# KiCad board Interrupter v1.2.kicad_pcb
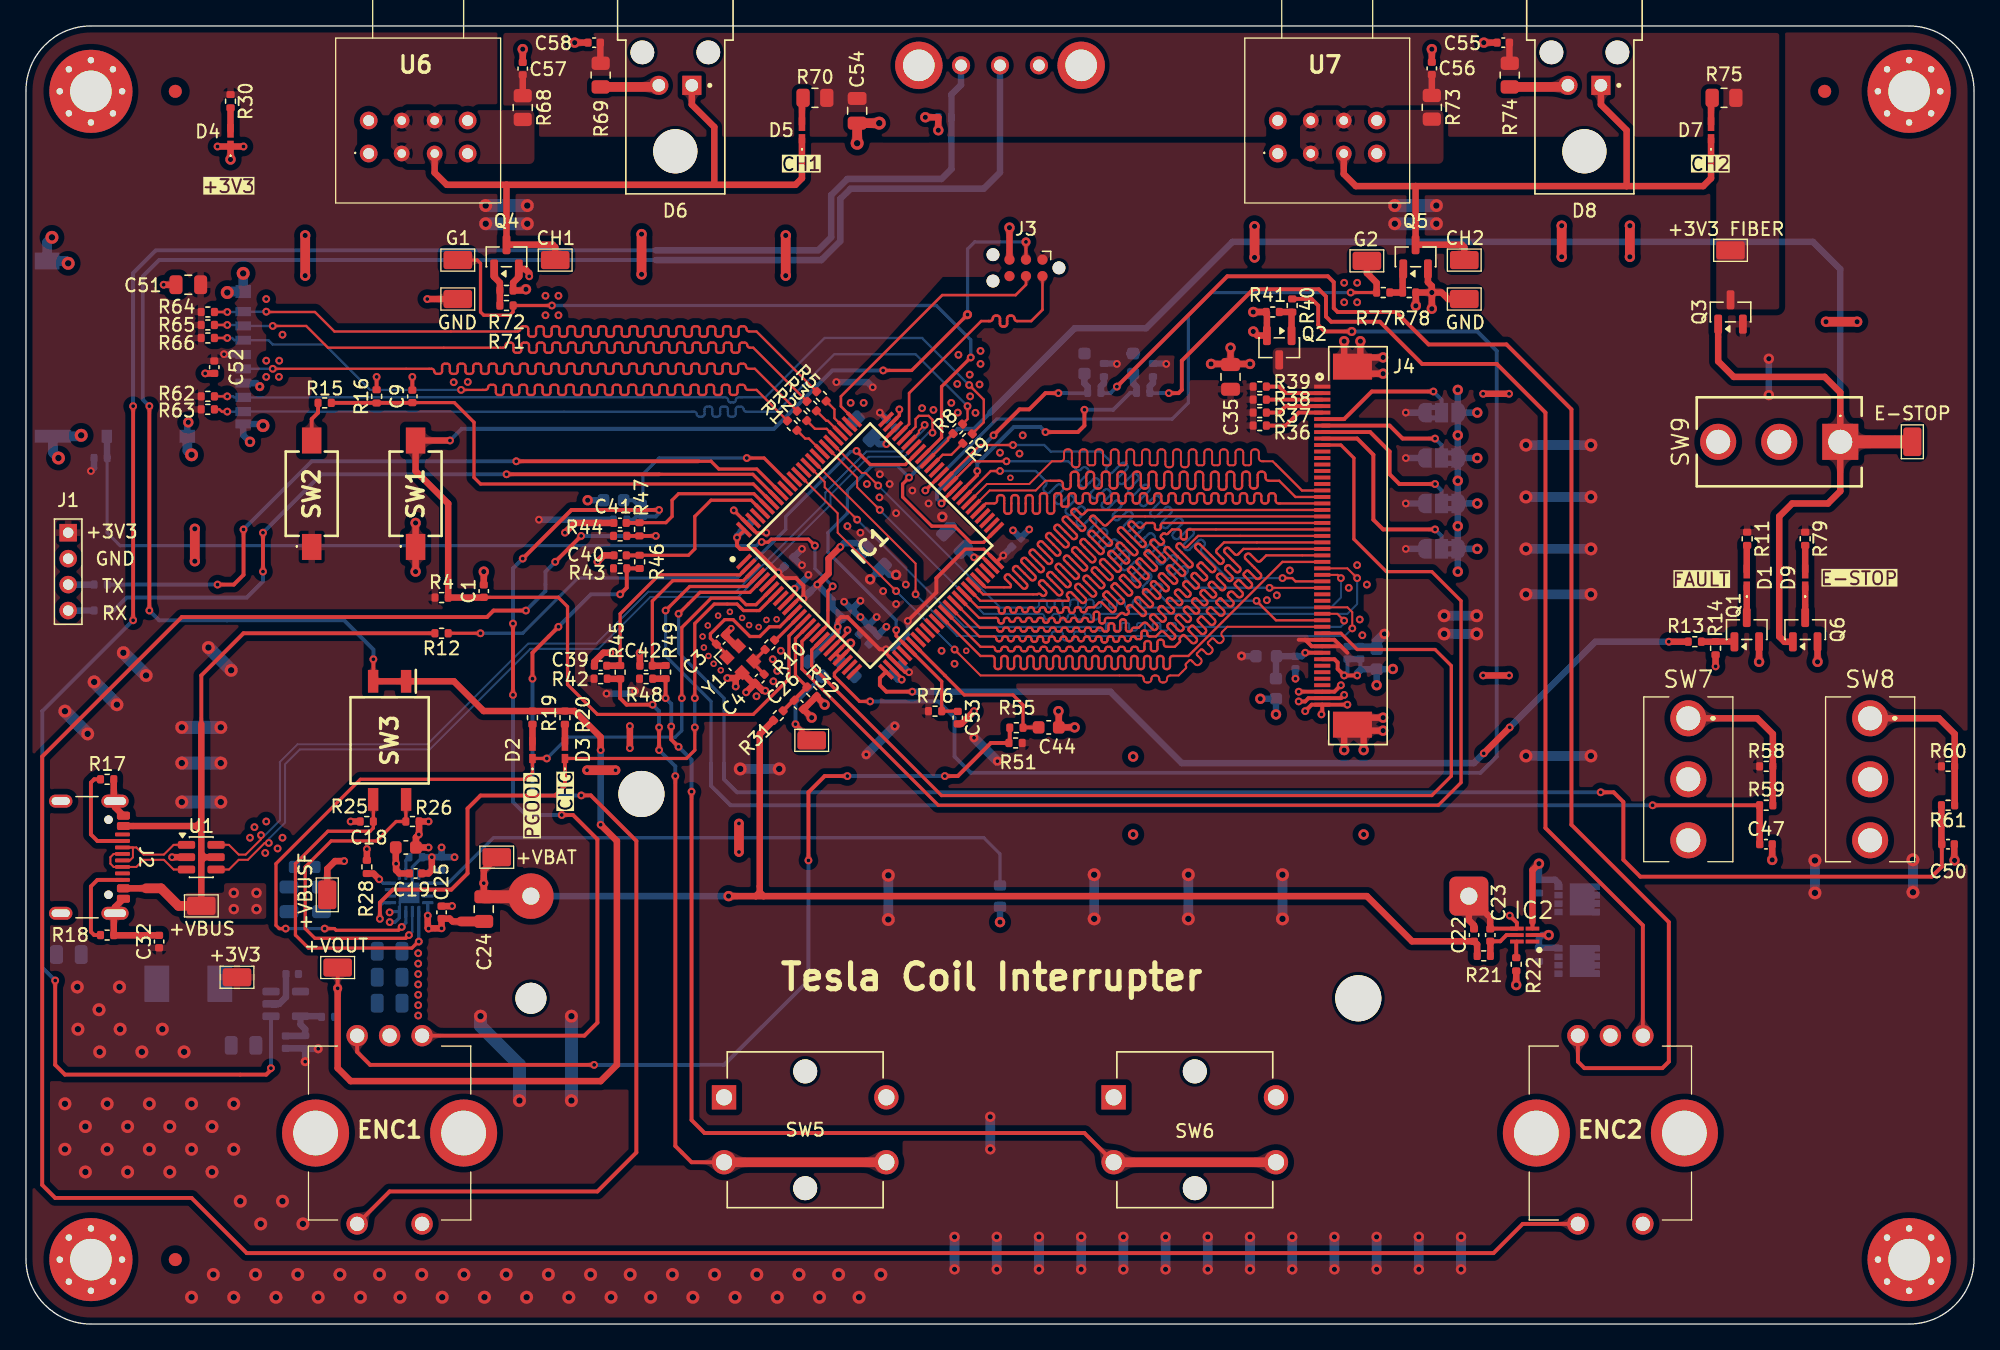
[diagram p0: board, top side]
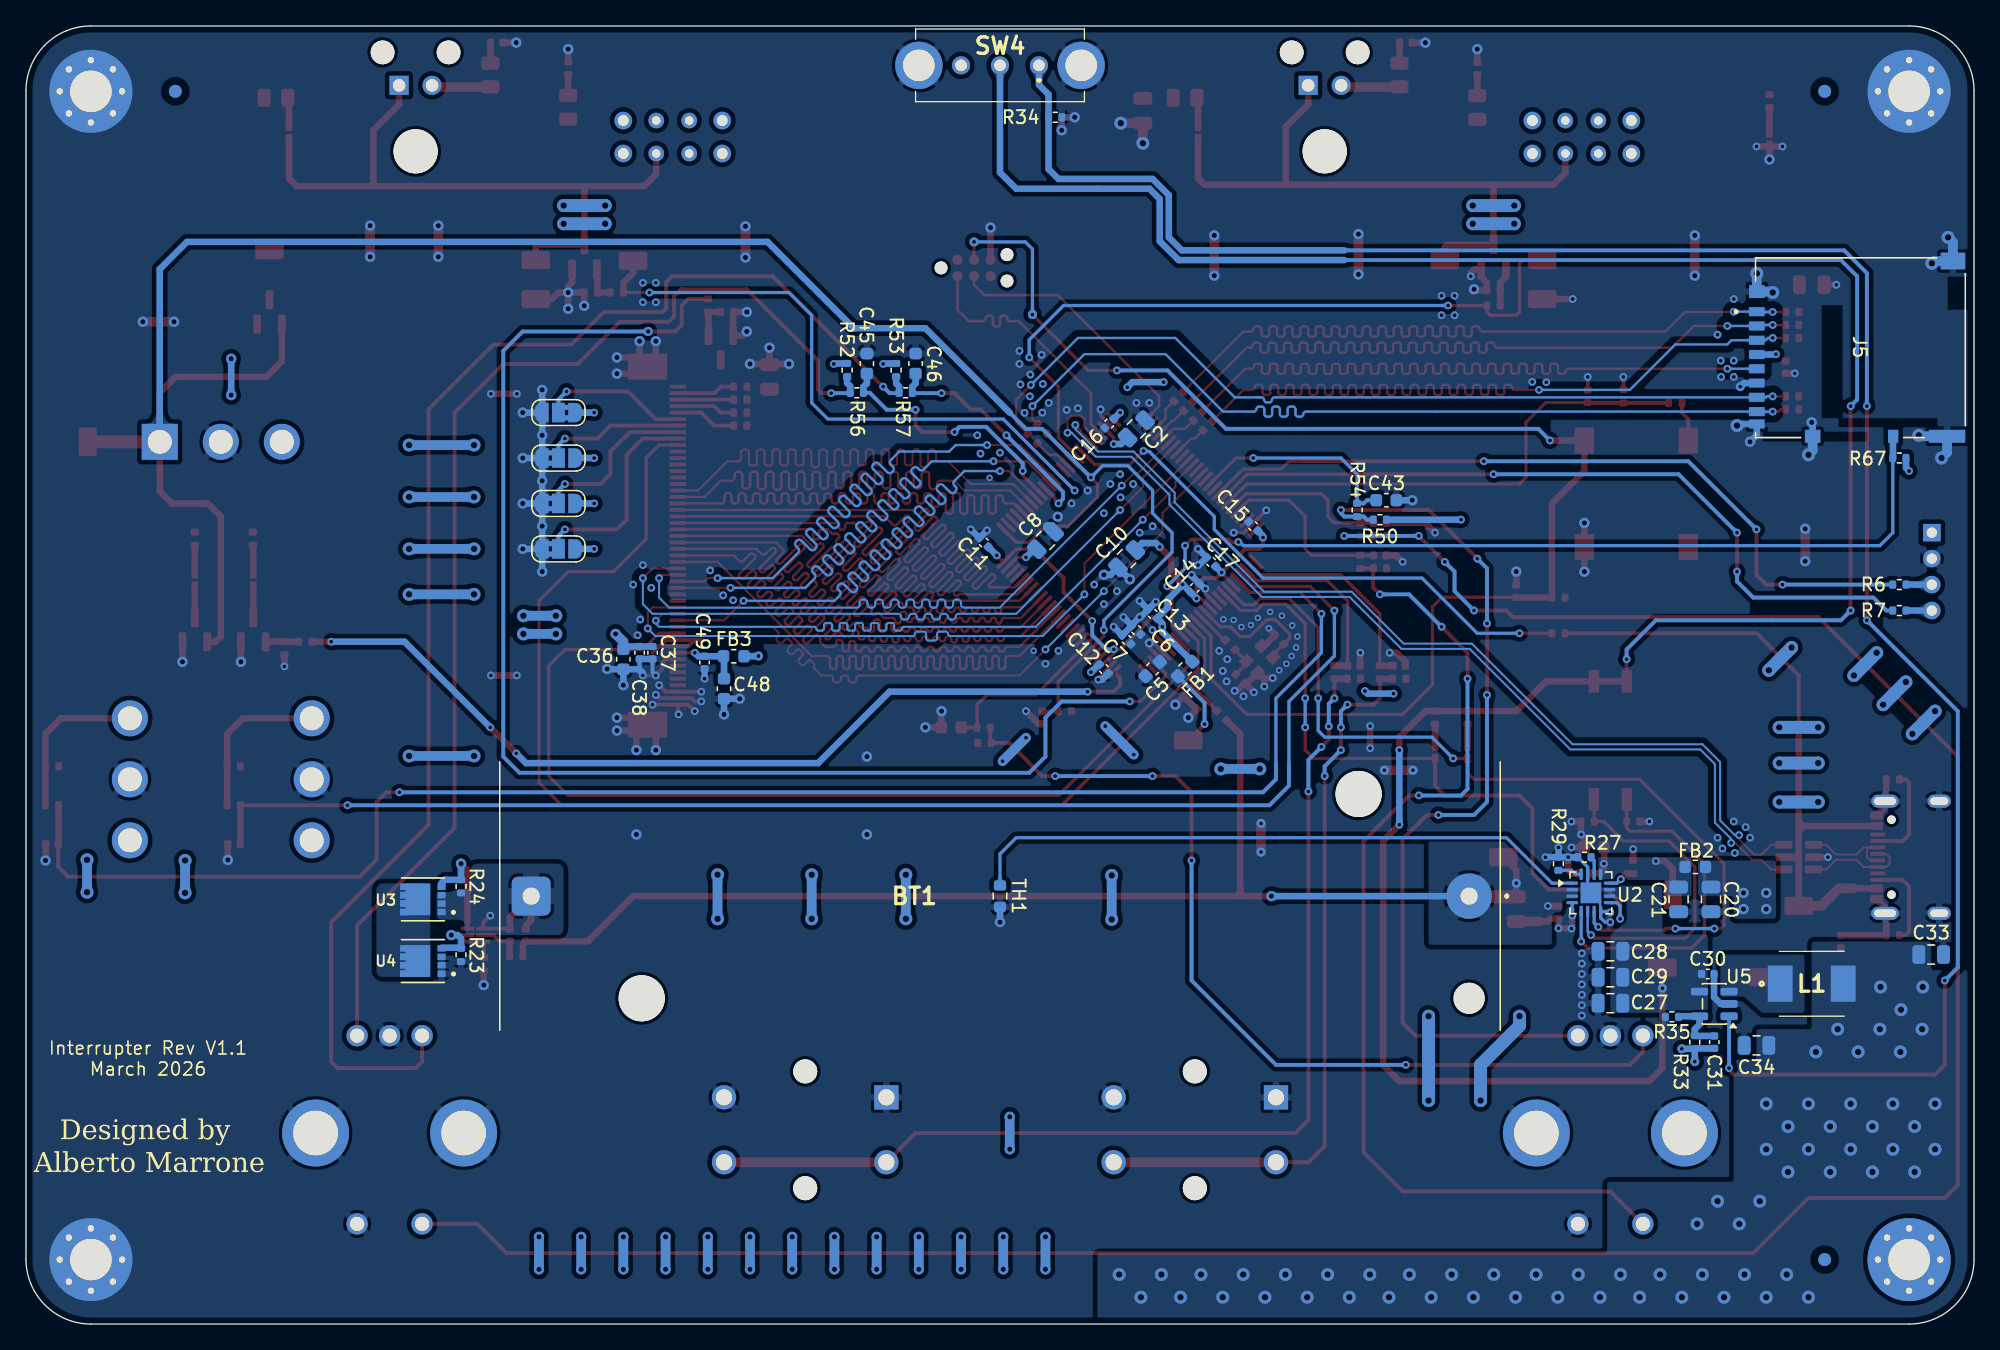
[diagram p1: board, bottom side, seen from below]

Outline 150 x 100 mm; copper layers: Top, In1.Cu (plane), In2.Cu (plane), Bottom. Coordinates in mm from the lower left corner of the outline.
Outline path: 0,95 arc(1.46,98.54) 5,100 145,100 arc(148.54,98.54) 150,95 150,5 arc(148.54,1.46) 145,0 5,0 arc(1.46,1.46) 0,5 0,95
Stack: Top 0.035mm / dielectric 0.0994mm FR4 er 4.1 / In1.Cu 0.0152mm / dielectric 1.265mm FR4 er 4.6 / In2.Cu 0.0152mm / dielectric 0.0994mm FR4 er 4.1 / Bottom 0.035mm

## Placement (name value [footprint] x y rotation side)
BT1  -  [Keystone 1043]  38.88 32.96 180 bottom
C1  100n  [C_0402_1005Metric]  35.25 56.46 90 top
C2  2.2u  [C_0805_2012Metric]  64.5 68.96 135 bottom
C3  10p  [C_0402_1005Metric]  53.5 52.71 45 top
C4  10p  [C_0402_1005Metric]  56.5 49.71 225 top
C5  1u  [C_0603_1608Metric]  63.25 50.46 315 bottom
C6  100n  [C_0402_1005Metric]  64.5 53.46 45 bottom
C7  100n  [C_0402_1005Metric]  65.25 52.71 45 bottom
C8  2.2u  [C_0805_2012Metric]  71.5 60.36 135 bottom
C9  100n  [C_0402_1005Metric]  29.75 71.46 90 top
C10  4.7u  [C_0805_2012Metric]  65.25 58.96 315 bottom
C11  100n  [C_0402_1005Metric]  76.25 60.21 45 bottom
C12  100n  [C_0402_1005Metric]  67 50.46 225 bottom
C13  100n  [C_0402_1005Metric]  63.25 54.71 45 bottom
C14  100n  [C_0402_1005Metric]  60 56.71 135 bottom
C15  100n  [C_0402_1005Metric]  55.5 61.46 45 bottom
C16  100n  [C_0402_1005Metric]  66.59 69.38 315 bottom
C17  100n  [C_0402_1005Metric]  58.75 58.71 45 bottom
C18  1u  [C_0603_1608Metric]  29.25 36.71 0 top
C19  100n  [C_0402_1005Metric]  30 34.71 0 top
C20  2.2u  [C_0805_2012Metric]  20.25 32.71 270 bottom
C21  2.2u  [C_0805_2012Metric]  22.75 32.71 270 bottom
C22  100n  [C_0402_1005Metric]  111.5 29.96 90 top
C23  100n  [C_0402_1005Metric]  112.75 29.96 90 top
C24  4.7u  [C_0805_2012Metric]  35.25 31.96 270 top
C25  100n  [C_0402_1005Metric]  32 31.71 270 top
C26  100n  [C_0402_1005Metric]  59.5 47.71 315 top
C27  10u  [C_0805_2012Metric]  28 24.71 0 bottom
C28  10u  [C_0805_2012Metric]  28 28.71 0 bottom
C29  4.7u  [C_0805_2012Metric]  28 26.71 0 bottom
C30  100n  [C_0402_1005Metric]  20.5 26.96 180 bottom
C31  10p  [C_0402_1005Metric]  20 21.71 90 bottom
C32  100n  [C_0402_1005Metric]  10.25 29.46 90 top
C33  10u  [C_0805_2012Metric]  3.3 28.46 180 bottom
C34  10u  [C_0805_2012Metric]  16.75 21.46 0 bottom
C35  4.7u  [C_0805_2012Metric]  92.75 72.96 90 top
C36  1u  [C_0603_1608Metric]  104 51.21 270 bottom
C37  100n  [C_0402_1005Metric]  101.75 51.71 270 bottom
C38  100n  [C_0402_1005Metric]  102.75 51.71 270 bottom
C39  100n  [C_0402_1005Metric]  44.25 50.71 180 top
C40  100n  [C_0402_1005Metric]  45.75 59.21 180 top
C41  100n  [C_0402_1005Metric]  45.74 61.71 180 top
C42  100n  [C_0402_1005Metric]  47.75 50.71 180 top
C43  10n  [C_0603_1608Metric]  45.25 63.46 180 bottom
C44  10n  [C_0603_1608Metric]  78.75 45.96 0 top
C45  10n  [C_0603_1608Metric]  85.25 73.99 90 bottom
C46  10n  [C_0603_1608Metric]  81.5 73.99 90 bottom
C47  100n  [C_0402_1005Metric]  133.98 36.96 0 top
C48  1u  [C_0603_1608Metric]  96.25 48.94 270 bottom
C49  100n  [C_0402_1005Metric]  97.75 50.96 270 bottom
C50  100n  [C_0402_1005Metric]  148 36.96 0 top
C51  4.7u  [C_0805_2012Metric]  12.5 80.06 180 top
C52  100n  [C_0402_1005Metric]  14.5 73.71 270 top
C53  100n  [C_0402_1005Metric]  71.75 46.71 270 top
C54  4.7u  [C_0805_2012Metric]  64 93.46 270 top
C55  100n  [C_0402_1005Metric]  113.75 98.71 180 top
C56  100n  [C_0402_1005Metric]  108.25 96.73 90 top
C57  100n  [C_0402_1005Metric]  38.25 96.71 90 top
C58  100n  [C_0402_1005Metric]  43.75 98.71 180 top
D1  LED  [TOPLED E1608]  132.5 57.49 90 top
D2  LED  [TOPLED E1608]  39 44.21 90 top
D3  LED  [TOPLED E1608]  41.5 44.21 90 top
D4  LED  [TOPLED E1608]  15.75 91.45 90 top
D5  LED  [TOPLED E1608]  59.75 91.96 90 top
D6  -  [IF-E97]  50 97.96 180 top
D7  LED  [TOPLED E1608]  129.75 91.96 90 top
D8  -  [IF-E97]  120 97.96 180 top
D9  LED  [TOPLED E1608]  137 57.49 90 top
ENC1  PEC11R-4220F-S0024  [PEC11R4220FS0024]  30.5 7.71 180 top
ENC2  PEC11R-4220F-S0024  [PEC11R4220FS0024]  124.5 7.71 180 top
FB1  120Ω @ 100MHz  [L_0603_1608Metric]  60.75 50.46 315 bottom
FB2  120Ω @ 100MHz  [L_0603_1608Metric]  21.46 35.21 0 bottom
FB3  120Ω @ 100MHz  [L_0603_1608Metric]  95.5 51.44 0 bottom
FID1  Fiducial  [Fiducial_1mm_Mask2mm]  138.5 94.96 0 top
FID2  Fiducial  [Fiducial_1mm_Mask2mm]  138.5 94.96 0 bottom
FID3  Fiducial  [Fiducial_1mm_Mask2mm]  11.5 94.96 0 top
FID4  Fiducial  [Fiducial_1mm_Mask2mm]  11.5 94.96 0 bottom
FID5  Fiducial  [Fiducial_1mm_Mask2mm]  11.5 4.96 0 top
FID6  Fiducial  [Fiducial_1mm_Mask2mm]  11.5 4.96 0 bottom
H1  M3  [MountingHole_3.2mm_M3_Pad_Via]  145 94.96 0 top
H2  M3  [MountingHole_3.2mm_M3_Pad_Via]  145 4.96 0 top
H3  M3  [MountingHole_3.2mm_M3_Pad_Via]  5 94.96 0 top
H4  M3  [MountingHole_3.2mm_M3_Pad_Via]  5 4.96 0 top
IC1  -  [STM32F405VGT6]  65 59.96 45 top
IC2  BQ29700DSER  [BQ29700]  115.4 29.96 180 top
J1  Conn_01x04  [PinSocket_1x04_P2.00mm_Vertical]  3.25 60.96 0 top
J2  USB_C_Receptacle_USB2.0_16P  [USB_C_Receptacle_GCT_USB4105-xx-A_16P_TopMnt_Horizontal]  3.75 35.96 270 top
J3  TagConnect  [Tag-Connect_TC2030-IDC-NL_2x03_P1.27mm_Vertical]  77 81.36 180 top
J4  -  [ER-CON50HT-1]  99.81 59.96 270 top
J5  -  [DM3AT-SF-PEJM5]  8.75 75.21 90 bottom
JP1  SolderJumper  [SolderJumper-3_P1.3mm_Bridged2Bar12_RoundedPad1.0x1.5mm_NumberLabels]  109 70.21 0 bottom
JP2  SolderJumper  [SolderJumper-3_P1.3mm_Bridged2Bar12_RoundedPad1.0x1.5mm_NumberLabels]  109 66.71 180 bottom
JP3  SolderJumper  [SolderJumper-3_P1.3mm_Bridged2Bar12_RoundedPad1.0x1.5mm_NumberLabels]  109 63.21 180 bottom
JP4  SolderJumper  [SolderJumper-3_P1.3mm_Bridged2Bar12_RoundedPad1.0x1.5mm_NumberLabels]  109 59.71 180 bottom
L1  2.2u  [ETQ-P3M2R2HFP]  12.5 26.21 180 bottom
Q1  PMV240ENEAR  [SOT-23]  132.5 53.49 90 top
Q2  PMV240ENEAR  [SOT-23]  96.5 75.21 270 top
Q3  PMV250EPEAR  [SOT-23]  131.25 77.96 90 top
Q4  PMV240ENEAR  [SOT-23]  37 82.21 90 top
Q5  PMV240ENEAR  [SOT-23]  107 82.21 90 top
Q6  PMV240ENEAR  [SOT-23]  137 53.49 90 top
R1  33  [R_0402_1005Metric]  59 69.21 135 top
R2  33  [R_0402_1005Metric]  59.75 69.96 135 top
R3  33  [R_0402_1005Metric]  60.5 70.71 135 top
R4  10k  [R_0402_1005Metric]  32 55.96 0 top
R5  33  [R_0402_1005Metric]  61.25 71.46 135 top
R6  100  [R_0402_1005Metric]  5.75 56.96 180 bottom
R7  100  [R_0402_1005Metric]  5.75 54.96 180 bottom
R8  33  [R_0402_1005Metric]  71.75 68.96 45 top
R9  33  [R_0402_1005Metric]  72.5 68.21 45 top
R10  0  [R_0402_1005Metric]  57.28 52.32 45 top
R11  100  [R_0402_1005Metric]  132.53 60.49 270 top
R12  10k  [R_0402_1005Metric]  32 53.21 180 top
R13  220  [R_0402_1005Metric]  128.5 52.56 0 top
R14  100k  [R_0402_1005Metric]  130.1 52.06 270 top
R15  100  [R_0402_1005Metric]  23 70.96 180 top
R16  10k  [R_0402_1005Metric]  27 71.46 90 top
R17  5.1k  [R_0402_1005Metric]  6.25 41.96 0 top
R18  5.1k  [R_0402_1005Metric]  6.25 29.96 0 top
R19  1.5k  [R_0402_1005Metric]  39 46.71 270 top
R20  1.5k  [R_0402_1005Metric]  41.5 46.71 270 top
R21  330  [R_0402_1005Metric]  112.25 28.36 0 top
R22  2.2k  [R_0402_1005Metric]  114.75 27.71 270 top
R23  5.1M  [R_0402_1005Metric]  116.5 28.44 270 bottom
R24  5.1M  [R_0402_1005Metric]  116.5 33.71 270 bottom
R25  10k  [R_0402_1005Metric]  26.24 38.71 180 top
R26  10k  [R_0402_1005Metric]  29.76 38.71 0 top
R27  68k  [R_0402_1005Metric]  30 35.96 0 bottom
R28  1.8k  [R_0402_1005Metric]  26.25 35.21 90 top
R29  1.5k  [R_0402_1005Metric]  32 35.46 90 bottom
R30  470  [R_0402_1005Metric]  15.75 94.2 270 top
R31  47k  [R_0402_1005Metric]  57.93 46.88 45 top
R32  47k  [R_0402_1005Metric]  60.5 48.71 315 top
R33  453k  [R_0402_1005Metric]  21.5 21.71 90 bottom
R34  10k  [R_0402_1005Metric]  70.75 92.96 180 bottom
R35  100k  [R_0402_1005Metric]  23.26 23.66 0 bottom
R36  4.7  [R_0402_1005Metric]  95 69.21 0 top
R37  4.7  [R_0402_1005Metric]  95 70.21 0 top
R38  4.7  [R_0402_1005Metric]  95 71.21 0 top
R39  4.7  [R_0402_1005Metric]  95 72.21 0 top
R40  220  [R_0402_1005Metric]  97.5 78.46 270 top
R41  100k  [R_0402_1005Metric]  96 77.96 180 top
R42  10k  [R_0402_1005Metric]  44.25 49.71 0 top
R43  10k  [R_0402_1005Metric]  45.75 58.21 0 top
R44  10k  [R_0402_1005Metric]  45.75 60.71 0 top
R45  10k  [R_0402_1005Metric]  45.75 50.21 90 top
R46  10k  [R_0402_1005Metric]  47.25 58.71 90 top
R47  10k  [R_0402_1005Metric]  47.24 61.22 90 top
R48  10k  [R_0402_1005Metric]  47.75 49.71 0 top
R49  10k  [R_0402_1005Metric]  49.25 50.22 90 top
R50  10k  [R_0402_1005Metric]  45.75 61.96 180 bottom
R51  10k  [R_0402_1005Metric]  76.2 44.76 0 top
R52  10k  [R_0402_1005Metric]  86.78 73.49 90 bottom
R53  10k  [R_0402_1005Metric]  83 73.49 90 bottom
R54  10k  [R_0402_1005Metric]  47.5 62.71 90 bottom
R55  10k  [R_0402_1005Metric]  76.26 45.94 0 top
R56  10k  [R_0402_1005Metric]  86.03 71.74 180 bottom
R57  10k  [R_0402_1005Metric]  82.26 71.74 180 bottom
R58  10k  [R_0402_1005Metric]  134 42.96 0 top
R59  10k  [R_0402_1005Metric]  134 39.96 180 top
R60  10k  [R_0402_1005Metric]  148 42.96 0 top
R61  10k  [R_0402_1005Metric]  148 39.96 180 top
R62  47k  [R_0402_1005Metric]  14 71.46 0 top
R63  47k  [R_0402_1005Metric]  14 70.46 0 top
R64  47k  [R_0402_1005Metric]  14 77.96 0 top
R65  47k  [R_0402_1005Metric]  14 76.96 0 top
R66  47k  [R_0402_1005Metric]  14 75.96 0 top
R67  10k  [R_0402_1005Metric]  5.75 66.71 180 bottom
R68  27  [R_0805_2012Metric]  38.25 93.71 270 top
R69  47  [R_0805_2012Metric]  44.25 96.21 270 top
R70  47  [R_0805_2012Metric]  60.75 94.46 180 top
R71  220  [R_0402_1005Metric]  37 78.46 180 top
R72  100k  [R_0402_1005Metric]  37 79.63 0 top
R73  27  [R_0805_2012Metric]  108.25 93.73 270 top
R74  47  [R_0805_2012Metric]  114.25 96.21 270 top
R75  47  [R_0805_2012Metric]  130.75 94.46 180 top
R76  10k  [R_0402_1005Metric]  70 47.21 0 top
R77  220  [R_0402_1005Metric]  104.51 79.46 0 top
R78  100k  [R_0402_1005Metric]  106.51 79.46 0 top
R79  100  [R_0402_1005Metric]  137 60.49 270 top
SW1  Push  [PTS636SM43JSMTRLFS]  30 63.96 90 top
SW2  Push  [PTS636SM43JSMTRLFS]  22 63.96 90 top
SW3  SW_DIP_x02  [A6S-2104-H]  28 44.96 270 top
SW4  SW_SPDT  [EG1206]  72 96.96 0 bottom
SW5  Push  [B3F_4050]  60 14.96 0 top
SW6  Push  [B3F_4050]  90 14.96 0 top
SW7  SW_SPDT  [100SP1T1B1M2REH]  128 46.66 270 top  (not fitted)
SW8  SW_SPDT  [100SP1T1B1M2REH]  142 46.66 270 top  (not fitted)
SW9  Push SPDT  [8161SHCQE2]  139.7 67.96 90 top
TH1  10k NTC  [R_0603_1608Metric]  75 32.96 270 bottom
TP1  TestPoint  [S275146R]  60.5 44.96 0 top  (not fitted)
TP2  TestPoint  [S275146R]  13.5 32.21 0 top  (not fitted)
TP3  TestPoint  [S275146R]  23.2 33.06 90 top  (not fitted)
TP4  TestPoint  [S275146R]  36.25 35.96 0 top  (not fitted)
TP5  TestPoint  [S275146R]  24 27.46 0 top  (not fitted)
TP6  TestPoint  [S275146R]  16.25 26.71 0 top  (not fitted)
TP7  TestPoint  [S275146R]  40.75 81.96 0 top
TP8  TestPoint  [S275146R]  33.25 78.96 0 top
TP9  TestPoint  [S275146R]  131.25 82.71 0 top  (not fitted)
TP10  TestPoint  [S275146R]  33.25 81.96 0 top
TP11  TestPoint  [S275146R]  110.75 81.96 0 top
TP12  TestPoint  [S275146R]  110.75 78.96 0 top
TP13  TestPoint  [S275146R]  145.25 67.96 90 top
TP14  TestPoint  [S275146R]  103.25 81.9 0 top
U1  USBLC6-2SC6  [SOT-23-6]  13.5 35.96 0 top
U2  BQ24075RGT  [VQFN-16-1EP_3x3mm_P0.5mm_EP1.6x1.6mm]  29.5 33.21 180 bottom
U3  -  [CSD16406Q3]  119.44 32.71 0 bottom
U4  -  [CSD16406Q3]  119.44 27.96 0 bottom
U5  TLV62569DBV  [SOT-23-5]  20 24.66 0 bottom
U6  HFBR-1412TZ  [HFBR1412TMZ]  30 99.96 90 top
U7  HFBR-1412TZ  [HFBR1412TMZ]  100 99.96 90 top
Y1  24MHz  [Crystal_SMD_Abracon_ABM10-4Pin_2.5x2.0mm]  55 51.21 45 top

## Library data of the parts
BT1 = -: Datasheet: https://www.mouser.it/datasheet/3/201/1/1043.pdf; Description: KEYSTONE - 1043 - BATTERY HOLDER, 18650, TH; Mouser Part Number: 534-1043; Mouser Price/Stock: https://www.mouser.co.uk/ProductDetail/Keystone-Electronics/1043?qs=%2F7TOpeL5Mz6j%2FnxeOA1rsg%3D%3D; Manufacturer_Name: Keystone Electronics; Manufacturer_Part_Number: 1043; Link: https://www.mouser.it/ProductDetail/Keystone-Electronics/1043?qs=%2F7TOpeL5Mz6j%2FnxeOA1rsg%3D%3D; Vendor: Mouser
C1 C6 C7 C9 C11-C17 C19 C22 C23 C25 C26 C30 C32 C37-C42 C47 C49 C50 C52 C53 C55-C58 = -: Datasheet: https://pim.murata.com/asset/pim4/ceramicCapacitorSMD/GRT155R71H104KE01-01A-EN_PDF_CERAMICCAPACITORSMD; Description: Unpolarized capacitor; Link: https://www.mouser.it/ProductDetail/Murata-Electronics/GRT155R71H104KE01J?qs=d0WKAl%252BL4Kar2U0zDlkjeg%3D%3D; Vendor: Mouser; Manufacturer_Part_Number: GRT155R71H104KE01J; ki_fp_filters: C_*
C2 C8 C20 C21 = -: Datasheet: https://datasheets.kyocera-avx.com/KGM_X7R.pdf; Description: Unpolarized capacitor; Link: https://www.mouser.it/ProductDetail/KYOCERA-AVX/KGM21AR71E225KU?qs=Jm2GQyTW%2FbhCn4KuUMBp1Q%3D%3D; Vendor: Mouser; Manufacturer_Part_Number: KGM21AR71E225KU; ki_fp_filters: C_*
C3 C4 C31 = -: Datasheet: https://pim.murata.com/asset/pim4/ceramicCapacitorSMD/GRM1555C1H100FA01-01A-EN_PDF_CERAMICCAPACITORSMD; Description: Unpolarized capacitor; Link: https://www.mouser.it/ProductDetail/Murata-Electronics/GRM1555C1H100FA01D?qs=ouTquLLW2S6Ql85QMjDTPQ%3D%3D; Vendor: Mouser; Manufacturer_Part_Number: GRM1555C1H100FA01D; ki_fp_filters: C_*
C5 C18 C36 C48 = -: Datasheet: https://product.tdk.com/system/files/dam/doc/product/capacitor/ceramic/mlcc/catalog/mlcc_commercial_general_en.pdf; Description: Unpolarized capacitor; Link: https://www.mouser.it/ProductDetail/TDK/C1608X7R1H105K080AB?qs=efUn273yAhdzCWVW9RXgig%3D%3D; Vendor: Mouser; Manufacturer_Part_Number: C1608X7R1H105K080AB; ki_fp_filters: C_*
C10 C24 C29 C35 C51 C54 = -: Datasheet: https://www.mouser.it/datasheet/3/76/3/GRM21BZ7YA475KE15_01A.pdf; Description: Unpolarized capacitor; Link: https://www.mouser.it/ProductDetail/Murata-Electronics/GRM21BZ7YA475KE15K?qs=Ey7%2FXF42M3dx%252B9Rq2pWYiw%3D%3D; Vendor: Mouser; Manufacturer_Part_Number: GRM21BZ7YA475KE15K; ki_fp_filters: C_*
C27 C28 C33 C34 = -: Datasheet: https://www.mouser.it/datasheet/3/76/2/GRM21BZ71E106KE15_01A.pdf; Description: Unpolarized capacitor; Link: https://www.mouser.it/ProductDetail/Murata-Electronics/GRM21BZ71E106KE15L?qs=Ey7%2FXF42M3fdXe9bIpCO9w%3D%3D; Vendor: Mouser; Manufacturer_Part_Number: GRM21BZ71E106KE15L; ki_fp_filters: C_*
C43-C46 = -: Datasheet: https://datasheets.kyocera-avx.com/AutoMLCCKAF.pdf; Description: Unpolarized capacitor; Link: https://www.mouser.it/ProductDetail/KYOCERA-AVX/KAF15AR71H103JM?qs=OcgtsXO%252B3gvrQfm2NimJjQ%3D%3D; Vendor: Mouser; Manufacturer_Part_Number: KAF15AR71H103JM; ki_fp_filters: C_*
D1 D9 = -: Datasheet: https://eu.mouser.com/datasheet/3/5912/1/KS_DELPS1.22_EN.pdf; Description: Light emitting diode; Sim.Pins: 1=K 2=A; Link: https://eu.mouser.com/ProductDetail/ams-OSRAM/KS-DELPS1.22-TIVH-68-H3Q4-20-S?qs=w%2Fv1CP2dgqrJsz1owAXklA%3D%3D; Vendor: Mouser; Manufacturer_Part_Number: KS DELPS1.22-TIVH-68-H3Q4-20-S; ki_fp_filters: LED* LED_SMD:* LED_THT:*
D2 D4 = -: Datasheet: https://eu.mouser.com/datasheet/3/5912/1/KT_DELSS1.12_EN.pdf; Description: Light emitting diode; Sim.Pins: 1=K 2=A; Link: https://eu.mouser.com/ProductDetail/ams-OSRAM/KT-DELSS1.12-AYBZ-36-N626?qs=DPoM0jnrROUGwGzU52dXvA%3D%3D; Vendor: Mouser; Manufacturer_Part_Number: KT DELSS1.12-AYBZ-36-N626; ki_fp_filters: LED* LED_SMD:* LED_THT:*
D3 = -: Datasheet: https://eu.mouser.com/datasheet/3/5912/1/KO_DELPS1.22_EN.pdf; Description: Light emitting diode; Sim.Pins: 1=K 2=A; Link: https://eu.mouser.com/ProductDetail/ams-OSRAM/KO-DELPS1.22-UGVI-24-H3Q4-20-S?qs=w%2Fv1CP2dgqoqd5zknbE0HA%3D%3D; Vendor: Mouser; Manufacturer_Part_Number: KO DELPS1.22-UGVI-24-H3Q4-20-S; ki_fp_filters: LED* LED_SMD:* LED_THT:*
D5 D7 = -: Datasheet: https://eu.mouser.com/datasheet/3/5912/1/KB_DELSS2.12_EN.pdf; Description: Light emitting diode; Sim.Pins: 1=K 2=A; Link: https://eu.mouser.com/ProductDetail/ams-OSRAM/KB-DELSS2.12-THUH-34-2686?qs=Li%252BoUPsLEnvv0Vsr%2FCY%252B4A%3D%3D; Vendor: Mouser; Manufacturer_Part_Number: KB DELSS2.12-THUH-34-2686; ki_fp_filters: LED* LED_SMD:* LED_THT:*
D6 D8 = -: Datasheet: https://i-fiberoptics.com/pdf/ife97-2-20.pdf; PARTREV: 11/20; STANDARD: Manufacturer Recommendations; MAXIMUM_PACKAGE_HEIGHT: 10.41mm; MANUFACTURER: Industrial Fiber optics; Link: https://www.digikey.es/es/products/detail/industrial-fiber-optics/IF-E97/272338; Vendor: DigiKey
ENC1 ENC2 = -: Datasheet: https://www.bourns.com/docs/Product-Datasheets/PEC11R.pdf; Description: Bourns 24 Pulse Incremental Mechanical Rotary Encoder with a 6 mm Flat Shaft (Not Indexed), Through Hole; Height: 27.5; Mouser Part Number: 652-PEC11R-4220F-S24; Mouser Price/Stock: https://www.mouser.co.uk/ProductDetail/Bourns/PEC11R-4220F-S0024?qs=Zq5ylnUbLm6NGsQdib%2Ffbw%3D%3D; Manufacturer_Name: Bourns; Link: https://www.mouser.it/ProductDetail/Bourns/PEC11R-4015F-S0024?qs=Zq5ylnUbLm4l0nvCUCX4Xw%3D%3D; Vendor: Mouser
FB1-FB3 = -: Datasheet: https://eu.mouser.com/datasheet/3/76/2/QNFA9122.pdf; Description: Ferrite bead; Link: https://eu.mouser.com/ProductDetail/Murata-Electronics/BLM18SG121TZ1D?qs=lEfY3O89AqkcqxjERGLMfg%3D%3D; Vendor: Mouser; Manufacturer_Part_Number: BLM18SG121TZ1D; ki_fp_filters: Inductor_* L_* *Ferrite*
FID1-FID6 = -: Description: Fiducial Marker; ki_fp_filters: Fiducial*
H1-H4 = -: Description: Mounting Hole with connection; Manufacturer_Part_Number: MountingHole-M3; ki_fp_filters: MountingHole*Pad*
IC1 = -: Datasheet: https://www.st.com/resource/en/datasheet/stm32f405zg.pdf; Description: Arm Cortex-M4 32b MCU+FPU, 210DMIPS, up to 1MB Flash/192+4KB RAM, USB OTG HS/FS, Ethernet, 17 TIMs, 3 ADCs, 15 comm. interfaces, and camera; Height: 1.6; Mouser Part Number: 511-STM32F405VGT6; Mouser Price/Stock: https://www.mouser.co.uk/ProductDetail/STMicroelectronics/STM32F405VGT6?qs=Z8%252BeY1k3TIJiWie7HpfDCQ%3D%3D; Manufacturer_Name: STMicroelectronics; Link: https://www.mouser.it/ProductDetail/STMicroelectronics/STM32F405VGT6?qs=Z8%252BeY1k3TIJiWie7HpfDCQ%3D%3D; Vendor: Mouser
IC2 = -: Datasheet: http://www.ti.com/lit/ds/symlink/bq2971.pdf; Description: Li-Ion/Li Polymer Advanced Single-Cell Battery Protector IC Family; Height: 0.8; Mouser Part Number: 595-BQ29700DSER; Mouser Price/Stock: https://www.mouser.co.uk/ProductDetail/Texas-Instruments/BQ29700DSER?qs=%2Fd%252BFzHvH4c3zNh7Hkm%2Fvbw%3D%3D; Manufacturer_Name: Texas Instruments; Link: https://eu.mouser.com/ProductDetail/Texas-Instruments/BQ29700DSER?qs=%2Fd%252BFzHvH4c3zNh7Hkm%2Fvbw%3D%3D; Vendor: Mouser
J1 = -: Description: Generic connector, single row, 01x04, script generated (kicad-library-utils/schlib/autogen/connector/); ki_fp_filters: Connector*:*_1x??_*
J2 = -: Datasheet: https://www.mouser.com/catalog/specsheets/Global_Connector_Technology_usb4105.pdf; Description: USB 2.0-only 16P Type-C Receptacle connector; Link: https://eu.mouser.com/ProductDetail/GCT/USB4105-GF-A-120?qs=QNEnbhJQKva%252Bjxw%2FpEjDhQ%3D%3D; Vendor: Mouser; Manufacturer_Part_Number: USB4105-GF-A-120; ki_fp_filters: USB*C*Receptacle*
J3 = -: Datasheet: https://www.tag-connect.com/wp-content/uploads/bsk-pdf-manager/TC2030-CTX_1.pdf; Description: Tag-Connect ARM Cortex SWD JTAG connector, 6 pin, no legs; ki_fp_filters: *TC2030*
J4 = -: Datasheet: https://www.buydisplay.com/download/connector/ER-CON50HT-1.pdf; MF: EastRising; Package: Package; Price: None; Check_prices: https://www.snapeda.com/parts/ER-CON50HT-1/EastRising/view-part/?ref=eda; STANDARD: Manufacturer Recommendation; PARTREV: 1.0; SnapEDA_Link: https://www.snapeda.com/parts/ER-CON50HT-1/EastRising/view-part/?ref=snap; Availability: Not in stock; MANUFACTURER: EastRising; Link: https://www.buydisplay.com/50-pin-0-5mm-pitch-top-contact-zif-connector-fpc-connector; Vendor: BuyDispaly
J5 = -: Datasheet: https://www.mouser.it/datasheet/3/731/1/DM3AT_SF_PEJM5_CL0609_0031_0_00_2DDrawing_0000947170.pdf; MF: Hirose; MAXIMUM_PACKAGE_HEIGHT: 1.83 mm; Package: None; Price: None; Check_prices: https://www.snapeda.com/parts/DM3AT-SF-PEJM5/Hirose+Electric+Co+Ltd/view-part/?ref=eda; STANDARD: Manufacturer Recommendations; PARTREV: 20200913; SnapEDA_Link: https://www.snapeda.com/parts/DM3AT-SF-PEJM5/Hirose+Electric+Co+Ltd/view-part/?ref=snap; Description_1: 10 (8 + 2) Position Card Connector Secure Digital - microSD™ Surface Mount, Right Angle Gold; Availability: In Stock; MANUFACTURER: Hirose Electric Co Ltd; Link: https://www.mouser.it/ProductDetail/Hirose-Connector/DM3AT-SF-PEJM5?qs=LZSZKJVF%252B2WTDKp%252BR7IYAQ%3D%3D; Vendor: Mouser